# KiCad board SenseBarnacle.kicad_pcb (continued)
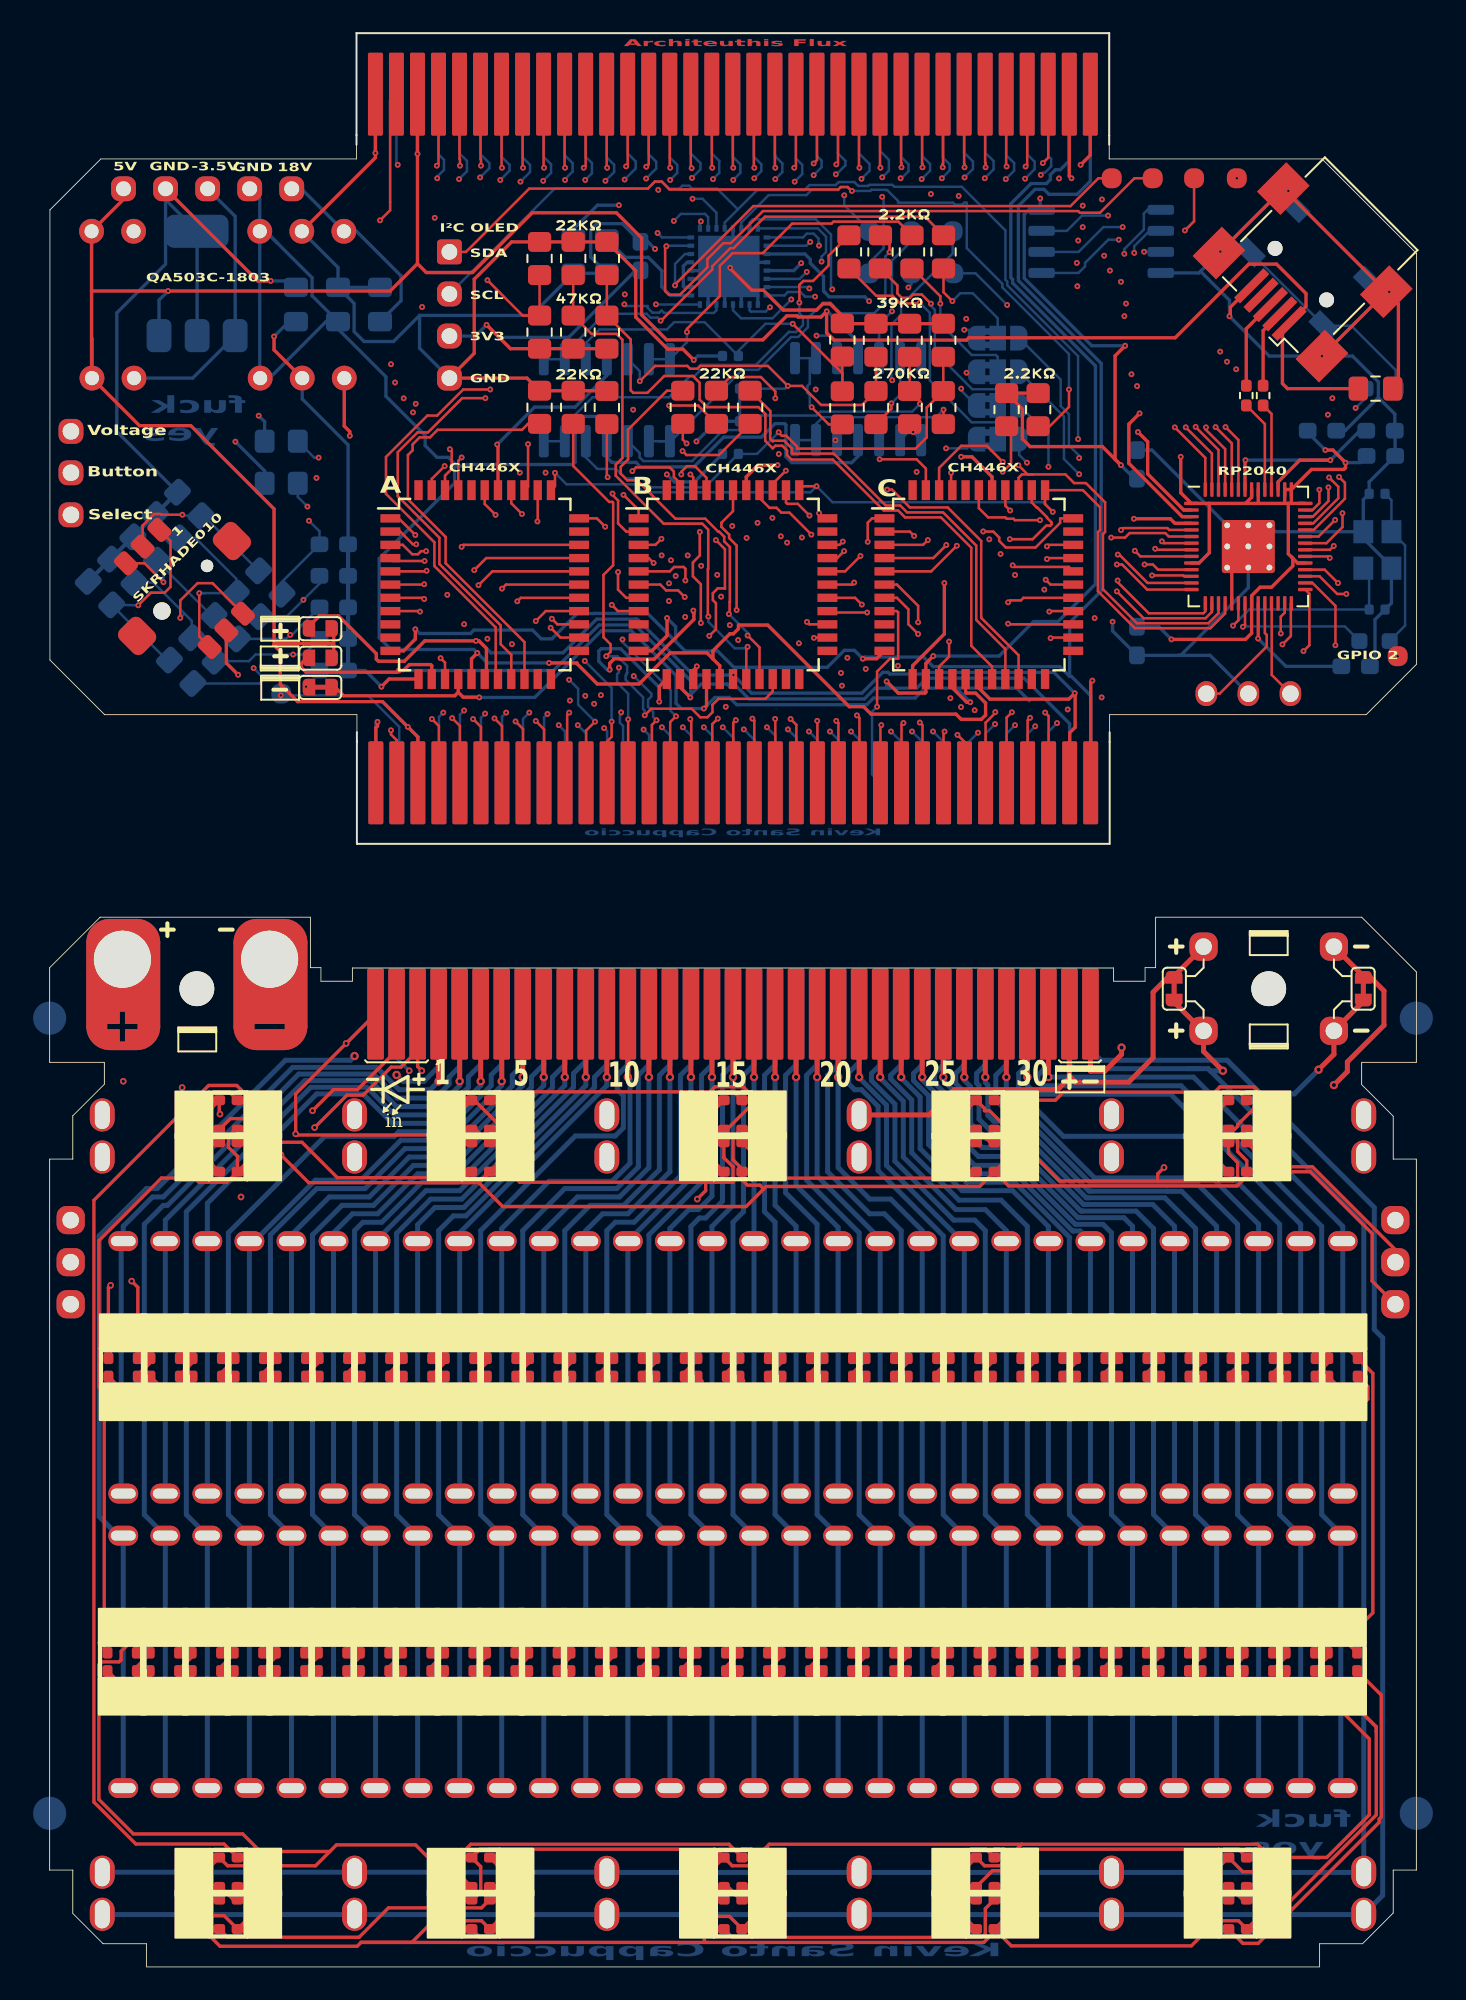
[diagram p0: board, top side]
## Routing (per net, layer and track width the routed paths; a pad name or vN(x,y) marks a point on that pad's centre or on a via; arc(x,y) is an arc through that point) (continued)
1: length 51.6
  Top w0.15: J6.31 23.49,108.85 v3(23.38,108.75) ; v3(24.88,85.73) 25,85.85 U13.31 ; v3(23.09,75.34) 23.51,74.91 J7.31
  In2.Cu w0.15: v3(23.38,108.75) 21.99,107.36 21.99,100.01 22.19,99.81 22.19,95.5 22.96,94.73 22.96,87.65 v3(24.88,85.73) 23.09,83.94 23.09,76.65 22.94,76.5 22.94,75.49 v3(23.09,75.34)
2: length 50.9
  Top w0.15: v3(24.31,75.39) 24.78,74.92 J7.32 ; U13.30 26.37,85.05 v3(25.64,84.33) ; J6.32 24.76,109.15 24.78,109.13 v3(24.78,108.75)
  In2.Cu w0.15: v3(24.31,75.39) 24.53,75.61 24.53,83.21 v3(25.64,84.33) 25.93,84.33 26.65,85.05 26.65,86.07 25.61,87.11 25.61,90.72 25.68,90.8 25.68,91.46 25.43,91.71 25.43,98.73 25.53,98.83 25.53,105.58 24.23,106.88 24.23,108.2 v3(24.78,108.75)
3: length 51
  Top w0.15: U13.29 26.74,84.25 v3(25.9,83.42) ; J7.33 26.05,74.86 v3(25.58,75.34) ; J6.33 26.03,109.15 26.05,109.13 v3(26.05,108.75)
  In2.Cu w0.15: v3(26.05,108.75) 25.5,108.2 25.5,106.46 27.21,104.74 27.21,95.41 27.11,95.31 27.11,95.04 26.81,94.73 26.81,94.57 26.28,94.04 26.28,90.55 26.21,90.47 26.21,87.36 27.25,86.31 27.25,84.8 25.9,83.45 v3(25.9,83.42) 25.9,80.83 25.17,80.1 25.17,76.68 25.58,76.27 v3(25.58,75.34)
4: length 48.1
  Top w0.15: J7.34 27.32,74.92 v3(26.87,75.37) ; J6.34 27.3,108.65 v3(27.32,108.62) ; v3(27.32,83.21) 27.56,83.45 U13.28
  In2.Cu w0.15: v3(27.32,108.62) 26.72,108.02 26.72,107.74 27.81,106.65 27.81,95.17 27.71,95.06 27.71,94.78 27.51,94.58 27.51,90.88 27.3,90.67 27.3,89.76 27.44,89.61 27.44,86.97 27.85,86.56 27.85,84.55 27.44,84.14 27.44,83.33 v3(27.32,83.21) 26.87,82.76 v3(26.87,75.37)
5: length 47
  Top w0.15: J6.35 28.57,108.65 v3(28.59,108.62) ; J7.35 28.59,74.74 v3(28.14,75.19) ; v3(28.25,82.44) 28.46,82.65 U13.27
  In2.Cu w0.15: v3(28.14,75.19) 28.42,75.47 28.42,82.27 v3(28.25,82.44) 28.08,82.61 28.08,83.93 28.45,84.3 28.45,84.35 28.5,84.4 28.5,84.51 28.55,84.56 28.55,86.71 28.08,87.18 28.08,89.82 27.9,90.01 27.9,90.42 28.16,90.68 28.16,94.38 28.47,94.69 28.47,107.11 27.94,107.64 27.94,107.97 v3(28.59,108.62)
6: length 45.9
  Top w0.15: v3(29.36,75.22) 29.86,74.72 J7.36 ; v3(29.36,81.25) 29.96,81.85 U13.26 ; J6.36 29.84,108.65 v3(29.86,108.62)
  In2.Cu w0.15: v3(29.86,108.62) 29.02,107.78 29.51,107.3 29.51,87.92 29.96,87.47 29.96,87.06 29.36,86.46 v3(29.36,81.25) 29.53,81.08 29.53,79.26 29.34,79.07 29.34,78.38 29.53,78.19 29.53,75.39 v3(29.36,75.22)
7: length 74.9
  Top w0.15: J7.37 31.26,71.61 31.26,75.6 v3(31.38,75.73) ; J6.37 31.11,108.65 v3(31.13,108.62) ; U13.3 21.33,85.85 21.9,85.29 22.24,85.29 22.43,85.47 v3(22.74,85.47)
  In1.Cu w0.15: v3(37.53,84.92) 37.53,85.36 37.17,85.72 25.71,85.72 25.09,86.34 23.6,86.34 v3(22.74,85.47)
  In2.Cu w0.15: v3(37.53,84.92) 37.33,84.72 37.04,84.72 35.2,82.88 35.2,79.08 35.58,78.7 35.58,78.34 35.78,78.14 35.78,77.72 35.49,77.43 34.65,77.43 33.42,76.2 33.42,76.08 33.07,75.73 v3(31.38,75.73) 30.58,76.53 30.58,78.39 30.98,78.79 30.98,107.33 30.63,107.68 30.63,108.12 v3(31.13,108.62)
8: length 74.2
  Top w0.15: J6.38 32.38,108.74 v3(32.26,108.62) ; v3(32.94,75.18) 32.4,74.64 J7.38 ; v3(22.65,84.88) 20.75,84.88 U13.4
  In1.Cu w0.15: v3(22.65,84.88) 22.75,84.98 33.6,84.98 33.88,85.26 36.92,85.26 v3(36.96,85.22)
  In2.Cu w0.15: v3(32.26,108.62) 31.58,107.94 31.58,77.91 v3(31.38,77.71) ; v3(36.96,85.22) 37.17,85.42 37.74,85.42 38.03,85.13 38.03,84.62 37.92,84.52 37.72,84.52 37.63,84.42 37.17,84.42 35.5,82.76 35.5,79.21 35.88,78.83 35.88,78.46 36.08,78.26 36.08,77.6 35.61,77.13 34.78,77.13 33.72,76.07 33.72,75.96 v3(32.94,75.18)
  Bottom w0.15: v3(32.94,75.18) 31.92,76.2 31.92,77.16 v3(31.38,77.71)
9: length 73.2
  Top w0.15: v3(33.67,108.62) 33.65,108.65 J6.39 ; v3(33.94,75.18) 33.94,74.26 33.67,73.98 J7.39 ; U13.5 22.73,84.25 v3(22.77,84.29)
  In1.Cu w0.15: v3(22.77,84.29) 23.22,83.84 25.86,83.84 26.68,84.65 33.7,84.65 34,84.96 34.66,84.96 35.5,84.12 37.66,84.12 v3(37.81,83.98)
  In2.Cu w0.15: v3(32.32,78.84) 32.18,78.99 32.18,107 32.85,107.68 32.85,107.8 v3(33.67,108.62) ; v3(33.94,75.18) 33.94,75.64 34.02,75.72 34.02,75.95 34.31,76.24 34.54,76.24 35.13,76.83 35.74,76.83 36.38,77.47 36.38,78.39 36.25,78.52 36.25,80.33 35.8,80.78 35.8,82.53 37.4,84.12 37.66,84.12 v3(37.81,83.98)
  Bottom w0.15: v3(33.94,75.18) 33.94,77.22 v3(32.32,78.84)
10: length 72.2
  Top w0.15: J7.40 34.94,75.32 v3(34.94,75.32) ; U13.6 22.6,83.45 v3(22.62,83.47) ; v3(34.82,108.7) 34.92,108.8 J6.40
  In1.Cu w0.15: v3(22.62,83.47) 24.81,83.47 25.55,82.73 26.22,82.73 27.84,84.35 33.82,84.35 34.12,84.66 34.49,84.66 35.62,83.53 v3(37.41,83.53)
  In2.Cu w0.15: v3(37.41,83.53) 36.1,82.22 36.1,80.9 36.55,80.46 36.55,78.64 36.68,78.51 36.68,77.35 35.86,76.53 35.72,76.53 34.94,75.76 v3(34.94,75.32) ; v3(34.82,108.7) 34.83,108.7 35.23,108.3 35.23,107.64 35.37,107.49 35.37,105.79 33.08,103.5 33.08,80.08 33.53,79.63 33.83,79.63 33.98,79.48 34.13,79.48 34.42,79.19 34.42,78.77 34.38,78.73 v3(34.38,78.44)
  Bottom w0.15: v3(34.38,78.44) 34.38,78.16 34.27,78.05 34.27,77.53 34.94,76.86 v3(34.94,75.32)
11: length 71.7
  Top w0.15: U13.7 22.55,82.65 v3(22.62,82.58) ; v3(36.04,108.68) 36.19,108.83 J6.41 ; v3(36.66,75.26) 36.38,74.98 36.38,71.65 J7.41
  In1.Cu w0.15: v3(22.62,82.58) 23.35,81.86 28.03,81.86 28.12,81.94 28.45,81.94 29.54,83.03 36.84,83.03 v3(37.4,82.46)
  In2.Cu w0.15: v3(36.66,75.26) 36.99,75.6 36.99,75.86 37.35,76.21 37.35,76.6 37.28,76.67 37.28,78.76 37.15,78.89 37.15,80.71 36.7,81.15 36.7,81.76 v3(37.4,82.46) ; v3(35.28,77.93) 35.28,78.58 34.72,79.13 34.72,79.31 33.38,80.66 33.38,82.51 35.68,84.81 35.68,94.4 36.47,95.2 36.47,96.77 36.56,96.86 36.56,97.38 35.22,98.73 35.22,101.35 35.14,101.43 35.14,105.14 35.67,105.67 35.67,107.61 35.53,107.76 35.53,108.17 v3(36.04,108.68)
  Bottom w0.15: v3(35.28,77.93) 36.34,76.87 36.34,76.7 36.14,76.5 36.14,76.07 36.45,75.76 36.45,75.47 v3(36.66,75.26)
12: length 70.8
  Top w0.15: v3(37.83,75.5) 37.48,75.15 J7.42 ; v3(37.48,108.62) 37.46,108.65 J6.42 ; U13.8 22.34,81.85 v3(22.37,81.82)
  In1.Cu w0.15: v3(22.37,81.82) 22.63,81.56 28.5,81.56 29.66,82.73 36.43,82.73 37.2,81.96 37.9,81.96 38.01,81.85 38.04,81.85 v3(38.39,81.5)
  In2.Cu w0.15: v3(38.39,81.5) 38.39,81.36 37.75,80.72 37.75,79.14 37.95,78.94 37.95,75.62 v3(37.83,75.5) ; v3(37.48,108.62) 36.26,107.4 36.26,107.23 35.97,106.94 35.97,105.54 35.44,105.01 35.44,103.25 35.52,103.18 35.52,99.13 36.49,98.15 36.49,97.87 36.86,97.51 36.86,96.74 36.77,96.65 36.77,95.08 36.32,94.62 36.32,94.34 35.98,94 35.98,84.68 34.6,83.31 v3(34.6,80.14)
  Bottom w0.15: v3(34.6,80.14) 34.6,79.98 37.51,77.07 37.51,75.82 v3(37.83,75.5)
13: length 56
  Top w0.15: v3(30.33,81.39) 30.67,81.05 U13.25 ; v3(38.78,108.59) 38.73,108.65 J6.43 ; v3(38.69,75.33) 38.75,75.28 J7.43 ; v3(39.33,81.14) 39.33,83.48 38.85,83.96 38.85,84.79 39.27,85.21 v3(39.27,86.63)
  In1.Cu w0.15: v3(39.33,81.14) 38.99,80.8 35.48,80.8 34.89,81.39 v3(30.33,81.39)
  In2.Cu w0.15: v3(38.69,75.33) 38.69,76.05 38.76,76.11 38.92,76.11 39.22,76.42 39.22,76.86 39.09,76.99 39.09,77.81 38.59,78.31 38.59,80.39 v3(39.33,81.14) ; v3(38.78,108.59) 38.86,108.51 39,108.51 39.29,108.21 39.29,107.42 39.63,107.08 39.63,106.42 39.39,106.17 39.84,105.71 39.84,105.05 39.37,104.58 39.3,104.58 39.3,103.81 39,103.5 39,101.82 39.29,101.53 39.29,98.38 39.45,98.23 39.4,98.19 39.4,97.68 39.73,97.35 39.73,96.67 39.53,96.47 39.53,93.92 39.68,93.77 39.68,92.61 39.87,92.43 39.87,91.76 39.68,91.58 39.68,87.04 v3(39.27,86.63)
14: length 56.5
  Top w0.15: v3(39.84,80.36) 40.24,80.76 40.24,82.33 40.06,82.52 40.06,82.93 40.35,83.23 40.77,83.23 40.79,83.2 40.79,85.59 v3(40.24,86.14) ; J6.44 40,108.65 v3(40.02,108.62) ; J7.44 40.02,75.03 v3(40.36,75.36) ; v3(30.26,80.85) 30.85,80.25 U13.24
  In1.Cu w0.15: v3(39.84,80.36) 39.76,80.45 35.41,80.45 34.93,80.92 30.33,80.92 v3(30.26,80.85)
  In2.Cu w0.15: v3(40.36,75.36) 40.26,75.46 40.26,75.55 40.34,75.63 40.34,76.31 40.26,76.39 40.26,77.3 40.17,77.39 40.17,78.16 39.84,78.48 v3(39.84,80.36) ; v3(40.02,108.62) 40.57,108.07 40.57,107.8 40.17,107.39 40.23,107.33 40.23,106.17 40.44,105.96 40.44,104.8 39.91,104.27 39.91,103.56 39.6,103.25 39.6,102.07 39.89,101.78 39.89,98.63 40.09,98.43 40.09,98.03 40,97.94 40,97.93 40.33,97.6 40.33,96.42 40.18,96.27 40.18,94.67 40.33,94.52 40.33,93.51 40.28,93.46 40.28,92.86 40.47,92.68 40.47,91.52 40.28,91.33 40.28,89.73 40.3,89.71 40.3,86.2 v3(40.24,86.14)
15: length 67.1
  Top w0.15: J7.45 41.29,75.12 v3(41.45,75.27) ; U13.1 21.08,87.45 v3(22.09,86.45) ; J6.45 41.27,108.65 v3(41.29,108.62)
  In1.Cu w0.15: v3(41.23,86.99) 41.19,87.03 40,87.03 39.6,87.43 37.04,87.43 36.01,86.41 26.73,86.41 26.18,86.95 22.6,86.95 v3(22.09,86.45)
  In2.Cu w0.15: v3(41.45,75.27) 41.64,75.46 41.64,77.59 41.83,77.78 41.83,78.21 40.94,79.09 40.94,80.23 42.29,81.59 42.29,82.51 41.5,83.3 41.5,85.07 41.33,85.24 41.33,86.88 v3(41.23,86.99) 40.9,87.32 40.9,89.96 40.88,89.98 40.88,91.08 41.07,91.27 41.07,92.92 40.88,93.11 40.88,93.21 40.93,93.26 40.93,94.77 40.78,94.92 40.78,96.03 40.93,96.17 40.93,97.85 40.69,98.08 40.69,98.68 40.49,98.88 40.49,101.28 40.51,101.29 40.51,102.01 40.2,102.32 40.2,103 40.51,103.31 40.51,104.02 41.04,104.55 41.04,106.21 40.83,106.42 40.83,106.72 41.79,107.68 41.79,108.12 v3(41.29,108.62)
16: length 67.6
  Top w0.15: v3(42.45,75.36) 42.56,75.25 J7.46 ; v3(42.56,108.62) 42.54,108.65 J6.46 ; U13.2 21.17,86.65 21.94,85.89 v3(22.14,85.89)
  In1.Cu w0.15: v3(22.14,85.89) 22.89,86.64 26.08,86.64 26.6,86.11 36.14,86.11 37.16,87.13 39.48,87.13 39.77,86.84 39.77,86.73 40.57,86.73 41.02,86.27 v3(42.1,86.27)
  In2.Cu w0.15: v3(42.56,108.62) 43.06,108.12 43.06,107.78 41.64,106.36 41.64,104.31 41.11,103.77 41.11,103.21 41.12,103.19 41.24,103.19 41.63,102.8 41.63,102.37 41.11,101.84 41.11,101.05 41.09,101.04 41.09,99.13 41.29,98.93 41.29,98.33 41.53,98.1 41.53,95.92 41.38,95.78 41.38,95.17 41.53,95.02 41.53,93.31 41.67,93.17 41.67,91.02 41.48,90.83 41.48,90.23 41.5,90.21 41.5,88.37 41.85,88.02 41.85,87.5 42.03,87.32 42.03,86.34 v3(42.1,86.27) 42.1,86.27 42.1,83.55 42.89,82.76 42.89,81.34 42.65,81.1 42.65,79.58 42.43,79.35 42.43,75.38 v3(42.45,75.36)
17: length 56.4
  Top w0.15: J6.47 43.81,108.65 v3(43.83,108.62) ; v3(33.55,86.95) 33.05,87.45 U13.33 ; v3(43.82,75.35) 43.83,75.34 J7.47
  In1.Cu w0.15: v3(42.76,87.18) 42.61,87.33 41.6,87.33 41.44,87.49 41.02,87.49 40.86,87.33 40.13,87.33 39.72,87.73 36.91,87.73 36.13,86.95 v3(33.55,86.95)
  In2.Cu w0.15: v3(43.83,108.62) 44.33,108.12 44.33,107.73 42.24,105.64 42.24,104.06 41.73,103.55 42.23,103.05 42.23,102.12 41.71,101.59 41.71,100.8 41.69,100.79 41.69,99.38 41.89,99.18 41.89,98.58 42.13,98.35 42.13,95.68 41.98,95.53 41.98,95.42 42.13,95.27 42.13,93.56 42.27,93.42 42.27,90.77 42.1,90.61 42.1,88.62 42.76,87.96 v3(42.76,87.18) 42.83,87.11 42.83,83.67 43.49,83.01 43.49,81.09 43.25,80.85 43.25,79.34 43.15,79.23 43.15,76.02 v3(43.82,75.35)
18: length 62
  Top w0.15: J7.48 45.1,74.99 v3(44.75,75.34) ; v3(29.46,87.27) 29.48,87.28 U13.35 ; J6.48 45.08,108.72 v3(44.97,108.62)
  In1.Cu w0.15: v3(29.46,87.27) 29.61,87.41 36.17,87.41 36.79,88.03 39.85,88.03 40.25,87.63 40.74,87.63 40.9,87.79 41.56,87.79 41.72,87.63 43.51,87.63 v3(43.65,87.48)
  In2.Cu w0.15: v3(44.75,75.34) 44.75,76.87 43.75,77.88 43.75,78.98 43.85,79.09 43.85,80.6 44.09,80.84 44.09,83.26 43.43,83.92 43.43,86.72 43.56,86.85 43.56,87.39 v3(43.65,87.48) 43.65,87.91 42.7,88.87 42.7,90.36 42.87,90.52 42.87,93.67 42.73,93.8 42.73,95.52 42.73,95.52 42.73,98.6 42.49,98.83 42.49,99.43 42.29,99.63 42.29,100.54 42.45,100.7 42.31,100.85 42.31,101.35 42.83,101.87 42.83,103.3 42.58,103.55 42.84,103.81 42.84,104.99 45.5,107.64 45.5,108.09 v3(44.97,108.62)
19: length 65.3
  Top w0.15: U13.37 27.88,88.37 v3(28.53,87.72) ; J6.49 46.35,109.08 v3(46.15,108.88) ; J7.49 46.37,75.22 v3(46.36,75.23)
  In1.Cu w0.15: v3(44.16,86.37) 44.16,87.83 44.06,87.93 41.85,87.93 41.68,88.09 40.77,88.09 40.61,87.93 40.38,87.93 39.97,88.33 36.66,88.33 36.05,87.72 v3(28.53,87.72)
  In2.Cu w0.15: v3(46.36,75.23) 46.16,75.43 46.16,76.31 44.35,78.12 44.35,78.73 44.45,78.84 44.45,80.35 44.69,80.59 44.69,83.5 44.11,84.09 44.11,86.32 v3(44.16,86.37) 44.16,86.77 44.24,86.85 44.24,87 44.5,87.26 44.5,87.92 43.3,89.11 43.3,90.11 43.47,90.27 43.47,93.92 43.33,94.05 43.33,95.76 43.33,95.77 43.33,98.84 43.09,99.08 43.09,99.68 42.89,99.88 42.89,100.29 43.18,100.58 43.18,100.82 42.91,101.1 42.91,101.1 43.43,101.62 43.43,103.55 43.44,103.56 43.44,104.59 46.3,107.45 46.3,107.62 46.69,108 46.69,108.34 v3(46.15,108.88)
20: length 67.7
  Top w0.15: v3(47.51,75.23) 47.64,75.1 J7.50 ; J6.50 47.62,108.92 v3(47.52,108.82) ; v3(26.93,87.66) 26.28,88.32 U13.39
  In1.Cu w0.15: v3(44.54,85.99) 44.64,86.08 44.64,87.78 44.19,88.23 41.97,88.23 41.81,88.39 40.65,88.39 40.41,88.63 36.54,88.63 36.05,88.15 27.41,88.15 v3(26.93,87.66)
  In2.Cu w0.15: v3(47.51,75.23) 46.46,76.28 46.46,76.43 44.65,78.25 44.65,78.61 44.75,78.71 44.75,80.23 44.99,80.47 44.99,83.63 44.54,84.08 v3(44.54,85.99) 44.64,86.08 44.64,86.97 44.8,87.13 44.8,89.96 44.96,90.13 44.96,90.54 44.8,90.71 44.8,91.71 45.19,92.11 45.19,95.77 44.01,96.95 44.01,104.59 46.6,107.18 46.6,107.5 47.04,107.93 47.04,107.96 46.99,108.02 46.99,108.43 47.28,108.72 47.42,108.72 v3(47.52,108.82)
21: length 44.6
  Top w0.15: U14.31 47.71,85.85 v3(47.9,86.05) ; v3(48.76,75.56) 48.91,75.41 J7.51 ; J6.51 48.89,108.65 v3(48.91,108.62)
  In2.Cu w0.15: v3(48.91,108.62) 49.08,108.62 49.54,108.16 49.54,107.67 48.14,106.28 48.14,102.14 48.02,102.01 48.02,101.52 47.77,101.28 47.77,99.85 47.91,99.72 47.91,86.05 v3(47.9,86.05) 47.33,85.48 47.33,82.02 47.43,81.92 47.43,81.57 47.44,81.56 47.44,80.94 48.68,79.7 48.68,75.63 v3(48.76,75.56)
22: length 45.3
  Top w0.15: v3(50.23,74.97) 50.18,74.92 J7.52 ; U14.30 47.57,85.05 v3(47.99,85.47) ; v3(50.18,108.62) 50.16,108.65 J6.52
  In2.Cu w0.15: v3(50.18,108.62) 49.84,108.28 49.84,107.54 49.58,107.29 49.58,107.27 48.44,106.13 48.44,102.01 48.32,101.89 48.32,101.4 48.07,101.15 48.07,99.97 48.36,99.68 48.36,85.85 v3(47.99,85.47) 47.73,85.22 47.73,81.7 47.74,81.69 47.74,81.09 49.91,78.92 49.91,76.86 50.53,76.24 50.53,75.26 v3(50.23,74.97)
23: length 48.5
  Top w0.15: v3(48.98,85.18) 48.05,84.25 U14.29 ; J7.53 51.45,74.98 v3(51.57,75.1) ; v3(51.45,108.65) 51.45,108.9 51.43,108.92 J6.53
  In2.Cu w0.15: v3(51.45,108.65) 50.84,108.03 50.84,107.7 50.59,107.46 50.18,107.46 49.88,107.17 49.88,107.02 48.74,105.88 48.74,101.89 48.62,101.76 48.62,101.27 48.37,101.03 48.37,100.1 48.66,99.81 48.66,85.5 v3(48.98,85.18) 48.03,84.24 48.03,81.82 48.04,81.81 48.04,81.22 50.12,79.14 51.39,79.14 51.68,78.84 51.68,75.21 v3(51.57,75.1)
24: length 48.3
  Top w0.15: U14.28 48.47,83.45 v3(48.59,83.58) ; J7.54 52.72,74.96 v3(52.56,75.13) ; v3(52.72,108.65) 52.72,108.85 52.7,108.87 J6.54
  In2.Cu w0.15: v3(52.72,108.65) 50.88,106.81 50.88,106.61 49.04,104.77 49.04,101.76 48.92,101.64 48.92,101.15 48.67,100.9 48.67,100.22 48.96,99.93 48.96,85.88 49.47,85.38 49.47,84.45 v3(48.59,83.58) 48.33,83.31 48.33,81.95 48.34,81.94 48.34,81.34 50.25,79.44 51.51,79.44 51.98,78.97 51.98,75.7 v3(52.56,75.13)
25: length 49.6
  Top w0.15: v3(54.05,74.58) 53.99,74.52 J7.55 ; v3(53.94,108.65) 53.94,108.85 53.97,108.87 J6.55 ; U14.27 48.65,82.65 v3(49.06,82.25)
  In2.Cu w0.15: v3(53.94,108.65) 54.33,108.25 54.33,107.51 54.08,107.26 54.08,106.27 50.9,103.09 50.9,100.9 51.44,100.36 51.44,94.06 51.16,93.78 51.16,84.35 v3(49.06,82.25) 48.94,82.14 48.94,81.59 50.5,80.04 51.76,80.04 52.58,79.22 52.58,78.89 53.31,78.17 53.31,75.33 v3(54.05,74.58)
26: length 50
  Top w0.15: v3(54.83,74.38) 55.26,73.95 J7.56 ; v3(55.26,108.65) 55.26,108.85 55.24,108.87 J6.56 ; v3(49.38,81.77) 47.06,81.77 U14.26
  In2.Cu w0.15: v3(54.83,74.38) 54.83,74.92 53.61,76.15 53.61,78.29 52.88,79.02 52.88,79.34 50.45,81.77 v3(49.38,81.77) 51.46,83.85 51.46,93.65 51.74,93.94 51.74,100.48 51.2,101.02 51.2,102.97 54.38,106.14 54.38,107.14 54.63,107.39 54.63,108.02 v3(55.26,108.65)
27: length 66.8
  Top w0.15: U14.3 36.59,85.85 v3(36.95,86.22) ; J6.57 56.51,108.92 56.53,108.9 v3(56.53,108.65) ; J7.57 56.53,75.11 57.12,75.7 v3(57.12,75.76)
  In1.Cu w0.15: v3(36.95,86.22) 37.1,86.22 38.03,85.29 38.03,85.05 38.36,84.71 38.85,84.71 39.39,85.25 45.66,85.25 45.96,85.55 46.22,85.55 47.62,86.95 55.43,86.95 56.19,86.19 v3(56.76,86.19)
  In2.Cu w0.15: v3(57.12,75.76) 57.12,76.88 56.41,77.6 56.41,85.83 v3(56.76,86.19) 56.19,86.19 55.92,86.46 55.92,95.65 56.18,95.92 56.18,96.58 56.14,96.62 56.14,99.79 55.92,100.01 55.92,108.03 v3(56.53,108.65)
28: length 66.9
  Top w0.15: v3(58.12,75.74) 57.8,75.42 J7.58 ; v3(36.48,84.76) 36.18,85.05 U14.4 ; J6.58 57.78,108.72 v3(57.8,108.7)
  In1.Cu w0.15: v3(36.48,84.76) 36.81,84.42 37.63,84.42 37.72,84.52 38.14,84.52 38.24,84.41 38.82,84.41 39.11,84.12 39.59,84.12 40.12,84.65 45.91,84.65 46.21,84.95 46.62,84.95 46.7,85.03 48.17,85.03 48.75,85.61 49.25,85.61 49.93,84.94 57.07,84.94 v3(57.44,85.3)
  In2.Cu w0.15: v3(58.12,75.74) 58.12,76.73 57.09,77.76 57.09,84.95 v3(57.44,85.3) 57.44,85.73 57.56,85.85 57.56,86.81 56.52,87.85 56.52,95.4 56.78,95.67 56.78,100 56.52,100.26 56.52,107.41 v3(57.8,108.7)
29: length 67.7
  Top w0.15: J6.59 59.05,108.79 v3(58.95,108.69) ; U14.5 37.46,84.25 37.72,84.52 38.29,84.52 38.4,84.41 v3(38.4,83.7) ; J7.59 59.07,75.26 v3(59.22,75.41)
  In1.Cu w0.15: v3(58.31,84.03) 49.5,84.03 49.18,84.35 46.46,84.35 45.73,83.62 40.39,83.62 40.26,83.49 38.62,83.49 v3(38.4,83.7)
  In2.Cu w0.15: v3(58.95,108.69) 58.42,108.17 58.42,107.99 57.38,106.95 57.38,95.42 57.12,95.16 57.12,88.21 58.61,86.72 58.61,84.34 v3(58.31,84.03) 58.78,83.57 58.78,76.78 59.22,76.34 v3(59.22,75.41)
30: length 68.4
  Top w0.15: J7.60 60.34,75.52 v3(60.13,75.73) ; v3(38.36,82.7) 37.96,83.1 37.24,83.1 36.89,83.45 U14.6 ; v3(59.99,108.9) 60.32,109.23 J6.60
  In1.Cu w0.15: v3(38.36,82.7) 38.76,82.7 39.24,82.23 40.77,82.23 40.91,82.37 45.82,82.37 46.27,82.82 59.75,82.82 v3(60.08,83.15)
  In2.Cu w0.15: v3(60.13,75.73) 60.13,79.2 59.66,79.67 59.66,80.33 59.66,82.73 v3(60.08,83.15) 59.53,83.7 59.53,86.92 59.32,87.14 59.32,87.55 59.53,87.76 59.53,106.33 59.37,106.49 59.37,108.4 59.66,108.69 59.78,108.69 v3(59.99,108.9)
31: length 57.3
  Top w0.15: U14.7 34.83,82.65 34.33,83.15 v3(34.33,84.21)
  In1.Cu w0.15: v3(34.33,84.21) 34.13,84.01 28.77,84.01 27.19,82.43 24.42,82.43 v3(24.02,82.84)
  In2.Cu w0.15: v3(23.78,75.73) 24.11,76.06 24.11,79.54 24.02,79.63 v3(24.02,82.84) 24.02,83.5 25.31,84.79 25.31,90.84 25.38,90.92 25.38,91.34 25.13,91.59 25.13,105.55 23.41,107.27 v3(23.41,107.98)
  Bottom w0.15: J7.1 23.51,75.46 v3(23.78,75.73) ; J6.1 23.49,109.43 23.82,109.1 23.82,108.49 23.41,108.09 v3(23.41,107.98)
32: length 55.3
  Top w0.15: v3(33.95,82.23) 34.33,81.85 U14.8
  In1.Cu w0.15: v3(25.03,81.06) 28.42,81.06 29.59,82.23 v3(33.95,82.23)
  In2.Cu w0.15: v3(24.73,107.93) 24.73,106.8 25.83,105.7 25.83,98.7 25.73,98.6 25.73,91.84 25.98,91.58 25.98,90.67 25.91,90.6 25.91,87.23 26.95,86.19 26.95,84.92 25.87,83.84 25.73,83.84 25.03,83.15 v3(25.03,81.06) 24.87,80.9 24.87,76.02 v3(25.03,75.85)
  Bottom w0.15: v3(24.73,107.93) 25.21,108.41 25.21,109.03 24.76,109.48 J6.2 ; J7.2 24.78,75.6 v3(25.03,75.85)
33: length 65.8
  Top w0.15: U14.25 45.89,81.05 v3(45.74,81.2)
  In1.Cu w0.15: v3(26.44,80.18) 26.62,80.36 33.87,80.36 34.14,80.62 34.81,80.62 35.28,80.15 39.44,80.15 39.76,79.83 40.51,79.83 41.87,81.2 v3(45.74,81.2)
  In2.Cu w0.15: v3(26.3,75.67) 26.44,75.8 v3(26.44,80.18) 26.44,83.57 27.55,84.67 27.55,86.44 26.51,87.48 26.51,90.35 26.58,90.42 26.58,92.84 27.11,93.36 27.11,94.6 27.41,94.9 27.41,95.19 27.51,95.29 27.51,106.52 v3(26,108.04)
  Bottom w0.15: J7.3 26.05,75.41 v3(26.3,75.67) ; J6.3 26.03,109.43 26.56,108.9 26.56,108.59 v3(26,108.04)
34: length 63.5
  Top w0.15: v3(46.16,80.24) 46.18,80.25 U14.24
  In1.Cu w0.15: v3(27.92,79.86) 27.99,79.93 34.1,79.93 34.56,79.47 34.81,79.72 39.43,79.72 39.86,79.29 40.66,79.29 40.7,79.34 41.88,79.34 42.02,79.2 42.36,79.2 43.56,80.4 46,80.4 v3(46.16,80.24)
  In2.Cu w0.15: v3(27.57,75.73) 27.7,75.85 27.7,79.64 v3(27.92,79.86) 27.78,80 27.78,84.06 28.15,84.43 28.15,86.69 27.78,87.06 27.78,89.7 27.6,89.88 27.6,90.54 27.81,90.76 27.81,94.45 28.01,94.65 28.01,94.94 28.11,95.04 28.11,106.99 v3(27.22,107.88)
  Bottom w0.15: v3(27.57,75.73) 27.32,75.47 J7.4 ; J6.4 27.3,109.28 27.78,108.8 27.78,108.44 v3(27.22,107.88)
35: length 52
  Top w0.15: v3(34.66,88.87) 35.58,87.96 U14.1
  In1.Cu w0.15: v3(34.66,88.87) 34.35,88.56 34.32,88.56 34.2,88.45 33.79,88.45 33.67,88.56 30.67,88.56 29.02,90.21 v3(28.4,90.21)
  In2.Cu w0.15: v3(28.97,75.73) 28.73,75.96 28.73,84.22 28.8,84.28 28.8,84.38 28.85,84.43 28.85,86.83 28.73,86.95 28.73,87.22 29.01,87.5 29.01,89.6 v3(28.4,90.21) 28.46,90.28 28.46,94.26 28.77,94.56 28.77,107.45 v3(28.44,107.78)
  Bottom w0.15: v3(28.97,75.73) 28.59,75.35 J7.5 ; J6.5 28.57,109.25 29.02,108.8 29.02,108.36 v3(28.44,107.78)
36: length 50.8
  Top w0.15: U14.2 34.83,86.65 34.33,87.15 34.33,88.53 34,88.86 v3(34,88.95)
  In1.Cu w0.15: v3(29.95,90.21) 29.95,90.07 30.96,89.06 33.88,89.06 v3(34,88.95)
  In2.Cu w0.15: v3(29.81,107.83) 30.11,107.54 30.11,90.37 v3(29.95,90.21) 29.95,87.91 30.26,87.6 30.26,82.03 29.83,81.6 29.83,79.13 29.64,78.94 29.64,78.51 30.07,78.08 v3(30.07,75.65)
  Bottom w0.15: J6.6 29.84,109.28 30.29,108.83 30.29,108.31 v3(29.81,107.83) ; J7.6 29.86,75.44 v3(30.07,75.65)
37: length 71.3
  Top w0.15: v3(46.48,87.77) 46.79,87.45 U14.33
  In1.Cu w0.15: v3(30.75,74.96) 30.75,75.78 v3(31.42,76.45) 32.2,77.23 32.2,77.24 32.84,77.88 33.75,77.88 33.84,77.79 34.44,77.79 35.77,79.12 39.18,79.12 39.61,78.69 40.9,78.69 40.95,78.74 41.63,78.74 41.77,78.6 42.61,78.6 43.05,79.04 v3(48.18,79.04)
  In2.Cu w0.15: v3(31.42,76.45) 30.88,77 30.88,78.27 31.28,78.67 31.28,107.74 v3(31.13,107.88) ; v3(46.48,87.77) 47.03,87.22 47.03,81.9 47.13,81.79 47.13,81.45 47.14,81.44 47.14,80.82 47.26,80.7 47.26,80.59 47.35,80.5 47.35,79.87 v3(48.18,79.04)
  Bottom w0.15: v3(31.13,107.88) 31.13,107.93 31.59,108.39 31.59,108.9 31.11,109.38 J6.7 ; v3(30.75,74.96) 31.13,74.58 J7.7
38: length 72
  Top w0.15: U14.35 44.48,88.4 44.55,88.33 45.19,88.33 v3(45.9,87.62)
  In1.Cu w0.15: v3(47.8,78.12) 47.12,77.44 41.61,77.44 41.51,77.34 41.07,77.34 40.97,77.44 33.77,77.44 33.63,77.58 32.96,77.58 32.5,77.11 32.5,76.88 v3(32.35,76.74) 31.9,76.29 v3(31.9,74.96)
  In2.Cu w0.15: v3(45.9,87.62) 46.69,86.83 46.69,81.81 46.83,81.67 46.83,81.33 46.84,81.31 46.84,80.75 46.82,80.72 46.96,80.57 46.96,79.45 47.97,78.44 47.97,78.3 v3(47.8,78.12) ; v3(32.35,76.74) 31.88,77.21 31.88,107.41 v3(32.35,107.88)
  Bottom w0.15: J6.8 32.38,109.28 32.76,108.9 32.76,108.29 v3(32.35,107.88) ; v3(31.9,74.96) 32.4,74.46 J7.8
39: length 73.9
  Top w0.15: v3(46.01,86.47) 44.68,87.8 44.2,87.8 43.9,88.09 43.49,88.09 43.48,88.08 42.88,88.69 U14.37
  In1.Cu w0.15: v3(47.85,77.35) 47.64,77.14 41.74,77.14 41.63,77.04 40.95,77.04 40.85,77.14 33.64,77.14 33.5,77.28 33.09,77.28 32.8,76.99 32.8,76.57 32.89,76.48 v3(32.89,76.26) 33.55,75.6 33.55,75.49 33.44,75.39 33.44,74.98 33.49,74.93 v3(33.49,74.79)
  In2.Cu w0.15: v3(32.89,76.26) 32.89,76.48 32.8,76.57 32.8,76.99 32.89,77.08 32.89,78.73 32.82,78.8 32.82,79.49 32.48,79.83 32.48,106.74 v3(33.57,107.83) ; v3(47.85,77.35) 46.53,78.68 46.53,79.9 46.66,80.03 46.66,80.45 46.39,80.72 46.54,80.87 46.54,81.19 46.53,81.2 46.53,81.55 46.39,81.69 46.39,86.1 v3(46.01,86.47)
  Bottom w0.15: J6.9 33.65,109.25 34.1,108.8 34.1,108.36 v3(33.57,107.83) ; v3(33.49,74.79) 33.67,74.61 J7.9
40: length 67.1
  Top w0.15: U14.39 41.28,87.89 40.57,87.19 40.57,86.94 41.04,86.47 41.04,86.26 41.49,85.81 v3(41.49,81.92)
  In1.Cu w0.15: v3(40.84,76.08) 40.56,76.35 39.88,76.35 39.58,76.65 39.46,76.65 38.92,76.11 37.24,76.11 36.89,75.76 36.45,75.76 36.14,76.07 35.15,76.07 34.86,76.35 ; v3(33.3,76.78) 34.43,76.78 34.86,76.35 ; 34.86,76.35 34.52,76.01 v3(34.52,75.74)
  In2.Cu w0.15: v3(41.49,81.92) 41.06,82.35 41,82.35 40.59,81.95 40.59,81.1 40.29,80.81 40.29,78.45 40.51,78.24 40.47,78.2 40.47,77.52 40.84,77.15 v3(40.84,76.08) ; v3(34.73,107.91) 32.78,105.96 32.78,79.96 33.12,79.62 33.12,78.92 33.3,78.75 v3(33.3,76.78)
  Bottom w0.15: J7.10 34.63,71.79 34.63,74.92 34.44,75.11 34.44,75.52 34.59,75.67 v3(34.52,75.74) ; J6.10 34.92,109.48 35.4,109 35.4,108.58 v3(34.73,107.91)
41: length 72.5
  Top w0.15: v3(60.24,85.76) 60.33,85.85 U15.31
  In1.Cu w0.15: v3(60.24,85.76) 58.75,87.25 47.49,87.25 46.1,85.85 45.84,85.85 45.54,85.55 38.88,85.55 v3(38.54,85.21) ; v3(36.03,107.97) 36.08,107.97 v3(36.76,107.28)
  In2.Cu w0.15: v3(35.88,74.7) 35.88,74.92 35.44,75.36 35.44,75.69 36.98,77.23 36.98,78.63 36.85,78.77 36.85,80.58 36.4,81.02 36.4,82.09 37.34,83.03 38.02,83.03 38.19,83.2 38.53,83.2 39.12,83.79 39.12,84.11 38.54,84.7 v3(38.54,85.21) 38.54,85.34 36.48,87.4 36.48,94.08 36.62,94.22 36.62,94.49 37.07,94.95 37.07,96.53 37.16,96.61 37.16,97.63 36.79,98 36.79,98.28 35.92,99.15 35.92,99.94 35.82,100.04 35.82,101.1 35.92,101.2 35.92,103.2 35.74,103.38 35.74,104.06 35.92,104.24 35.92,105.06 36.76,105.91 v3(36.76,107.28)
  Bottom w0.15: v3(35.88,74.7) 36.21,74.37 J7.11 ; J6.11 36.19,109.43 36.64,108.98 36.64,108.57 v3(36.03,107.97)
42: length 70.6
  Top w0.15: U15.30 60.29,85.05 v3(60.24,85)
  In1.Cu w0.15: v3(39.35,84.59) 39.72,84.95 45.79,84.95 46.09,85.25 46.4,85.25 47.68,86.54 49.62,86.54 50.85,85.3 56.73,85.3 57.23,85.8 57.64,85.8 58.45,85 v3(60.24,85)